# Altium PCB 2019.06.16.master.PcbDoc (part 5 of 5)
Units mm, origin at the board's own origin, x right, y up, seen from the top; angles counter-clockwise.
Board outline 160 x 120 mm, 6 copper layers (Top Signal, Top GND, Inner PWR, Inner Signal, Bottom GND, Bottom Signal), stack 1.571 mm thick; 340 components, 345 nets, 1524 pads, 692 vias.
Unrouted connection lines stored in the file: 216.
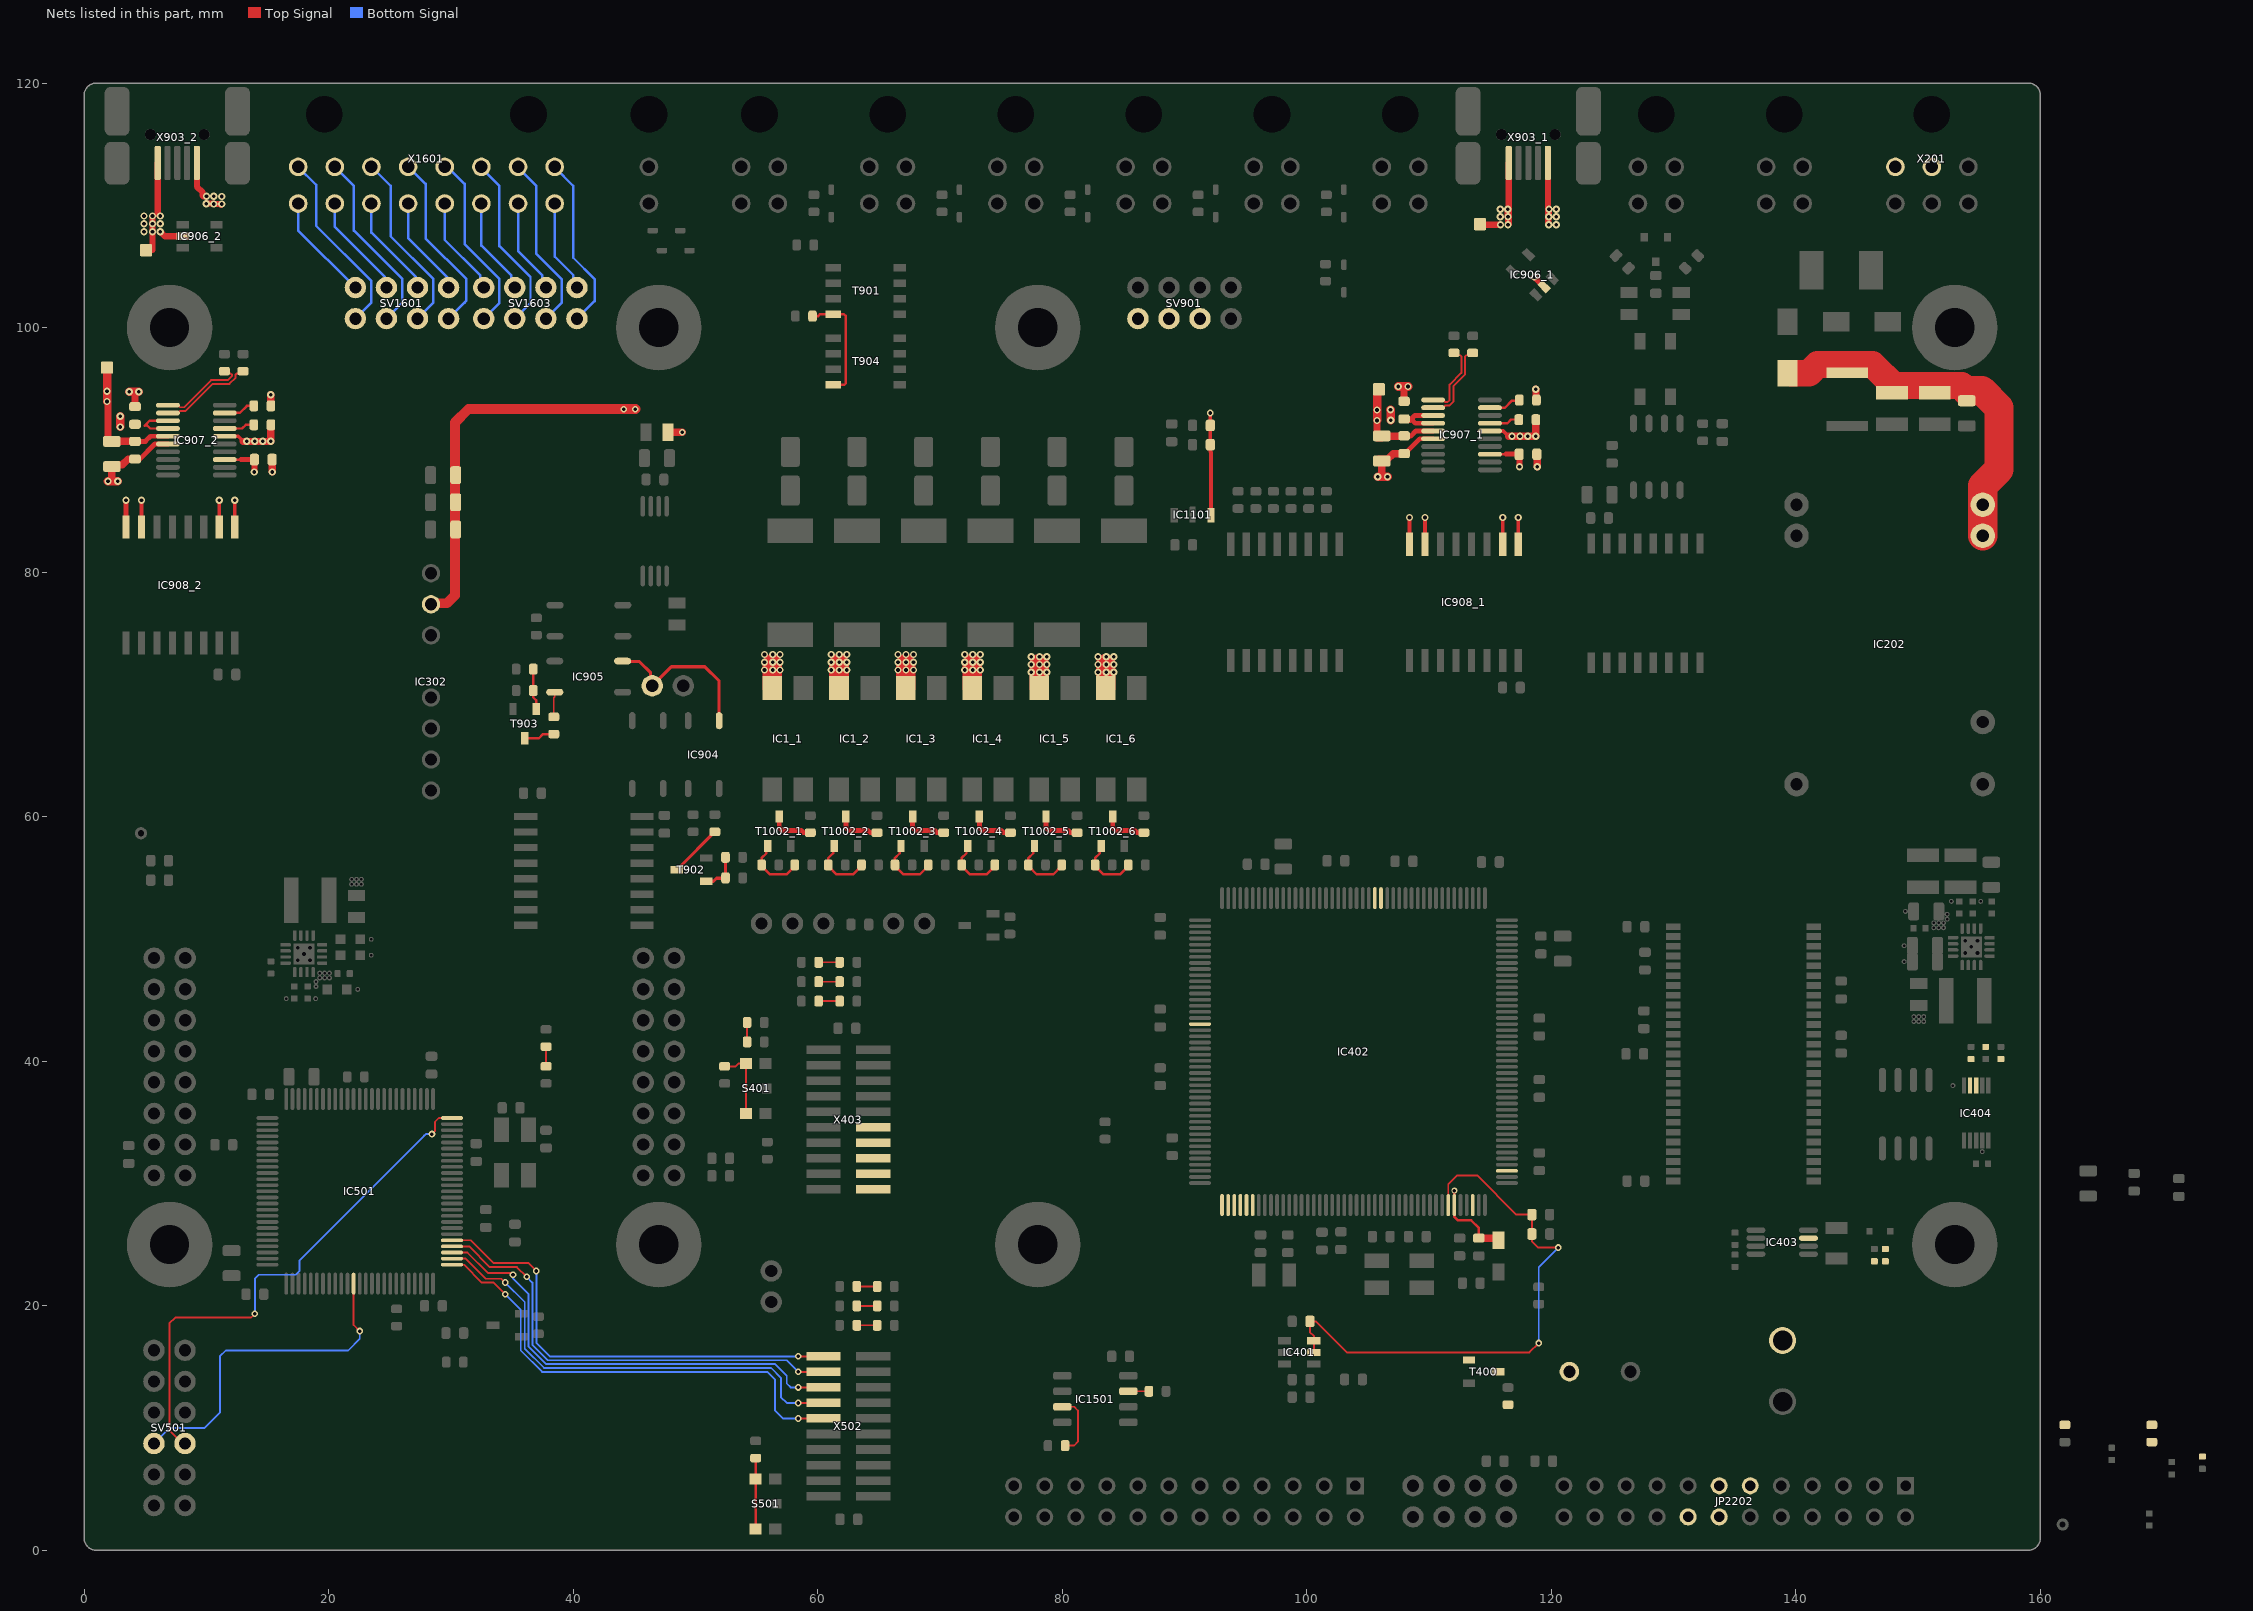
[diagram p9: the nets of this part, all layers, seen from the top]

## Via types
v1: diameter 0.6, hole 0.3, Top Signal to Bottom Signal, 370 vias
v2: diameter 0.55, hole 0.3, Top Signal to Bottom Signal, tented both sides, 291 vias
v3: diameter 0.4, hole 0.2, Top Signal to Bottom Signal, tented both sides, 17 vias
v4: diameter 0.5, hole 0.3, Top Signal to Bottom Signal, 12 vias
v5: diameter 0.7, hole 0.4, Top Signal to Bottom Signal, 2 vias

## Nets (pads, with @x,y where several pads share a name; then routed paths per layer and width w, separated by ;. In a path a pad name is that pad's centre, name@x,y a point inside that pad or via, vN(x,y) a via of type N, cw(c..) or ccw(c..) an arc to the next point about the centre after c; other vN are vias at no path point) (continued)
NetIC904_3: IC904.3 IC905.4 X902.2 | length 14.1
  Top Signal w0.254: IC905.4@44.047,72.722 44.48,72.722 44.507,72.695 45.415,72.695 46.34,71.77 X902.2@46.34,70.177 ; X902.2@46.47,70.7 48.033,72.263 50.775,72.263 51.943,71.095 IC904.3@51.943,67.848
NetIC905_2: IC905.2 R910.2 | length 2.1
  Top Signal w0.152: R910.2@38.417,68.154 38.417,69.726 38.497,69.806 IC905.2@38.497,70.182
NetIC907_1_7: IC907_1.7 R916_1.1 | length 2.5
  Top Signal w0.2: IC907_1.7@114.983,92.177 116.403,92.177 116.708,92.481 R916_1.1@117.355,92.481
NetIC907_1_9: IC907_1.9 R915_1.1 | length 2.6
  Top Signal w0.2: IC907_1.9@114.983,93.447 116.207,93.447 116.791,94.031 R915_1.1@117.355,94.031
NetIC907_2_7: IC907_2.7 R916_2.1 | length 2.5
  Top Signal w0.2: IC907_2.7@11.508,91.745 12.929,91.745 13.233,92.05 R916_2.1@13.88,92.05
NetIC907_2_9: IC907_2.9 R915_2.1 | length 2.6
  Top Signal w0.2: IC907_2.9@11.508,93.015 12.732,93.015 13.316,93.599 R915_2.1@13.88,93.599
NetIC1501_3: IC1501.3 R1502.1 | length 5.2
  Top Signal w0.152: IC1501.3@79.969,11.733 IC1501.3@80.009,11.733 80.977,11.733 81.28,11.43 81.28,8.875 80.962,8.558 R1502.1@80.234,8.558
NetIC1501_7: IC1501.7 R1501.1 | length 1.6
  Top Signal w0.152: IC1501.7@85.449,13.003 R1501.1@87.089,13.003
NetLED201_1: LED201.1 R201.2 | length 1.5
  Top Signal w0.152: R201.2@60.222,48.086 LED201.1@61.75,48.086
NetLED301_1: LED301.1 R301.1 | length 1.5
  Top Signal w0.152: LED301.1@63.25,21.575 R301.1@64.714,21.575
NetLED401_1: LED401.1 R408.2 | length 1.5
  Top Signal w0.152: R408.2@60.222,46.499 LED401.1@61.75,46.499
NetLED402_1: LED402.1 R409.2 | length 1.5
  Top Signal w0.152: R409.2@60.222,44.911 LED402.1@61.75,44.911
NetLED501_1: LED501.1 R508.2 | length 1.5
  Top Signal w0.152: LED501.1@63.25,19.988 R508.2@64.714,19.988
NetLED502_1: LED502.1 R509.2 | length 1.5
  Top Signal w0.152: LED502.1@63.25,18.4 R509.2@64.714,18.4
NetLS401_2: LS401.2 R416.1 T400.D
NetR403_1: R403.1 R404.2 | length 1.6
  Top Signal w0.152: R404.2@54.228,41.578 54.228,42.129 R403.1@54.227,43.165
NetR406_2: R406.2 S401.1 S401.2 | length 5.9
  Top Signal w0.152: R406.2@52.387,39.579 53.287,39.579 53.526,39.818 S401.1@54.127,39.818 S401.2@54.127,35.717
NetR417_1: R417.1 R418.2 T400.G
NetR501_1: R501.1 R503.2 | length 1.3
  Top Signal w0.152: R503.2@37.782,39.729 R501.1@37.782,41.045
NetR506_2: R506.2 S501.1 S501.2 | length 5.8
  Top Signal w0.203: S501.2@54.921,1.745 S501.1@54.921,5.845 54.921,6.397 54.927,6.403 R506.2@54.927,7.54
NetR905_2: R905.2 T901.4 T904.4 | length 9.4
  Top Signal w0.2: R905.2@59.577,100.94 60.029,100.94 60.181,101.092 T901.4@61.265,101.092 62.154,101.092 62.306,100.94 62.306,95.443 62.189,95.326 T904.4@61.265,95.326
NetR907_1: R907.1 T902.D | length 4.4
  Top Signal w0.254: T902.D@48.349,55.662 T902.D@48.479,55.662 ; T902.D@48.707,55.662 48.707,55.881 R907.1@51.587,58.761
NetR908_1: R908.1 R909.1 T902.G | length 3.3
  Top Signal w0.254: T902.G@50.879,54.712 51.481,54.712 51.731,54.962 R908.1@52.408,54.962 ; R909.1@52.459,56.678 52.459,55.546 52.462,55.543 R908.1@52.462,54.991
NetR910_1: R910.1 T903.D | length 2.5
  Top Signal w0.203: T903.D@36.036,66.413 37.203,66.413 37.544,66.754 R910.1@38.417,66.754
NetR911_1: R911.1 R912.1 T903.G | length 3.3
  Top Signal w0.203: R912.1@36.736,72.058 R911.1@36.736,70.311 36.736,69.76 36.986,69.51 T903.G@36.986,68.813
NetR1001_1_1: R1001_1.1 R1003_1.2 T1002_1.G | length 5.2
  Top Signal w0.2: T1002_1.G@55.903,57.601 55.803,57.501 55.803,57.003 55.409,56.609 R1003_1.2@55.409,56.058 55.409,55.958 56.096,55.27 57.439,55.27 58.126,55.958 R1001_1.1@58.126,56.058
NetR1001_2_1: R1001_2.1 R1003_2.2 T1002_2.G | length 5.2
  Top Signal w0.2: T1002_2.G@61.359,57.601 61.259,57.501 61.259,57.003 60.865,56.609 R1003_2.2@60.865,56.058 60.865,55.958 61.552,55.27 62.895,55.27 63.583,55.958 R1001_2.1@63.583,56.058
NetR1001_3_1: R1001_3.1 R1003_3.2 T1002_3.G | length 5.2
  Top Signal w0.2: T1002_3.G@66.815,57.601 66.715,57.501 66.715,57.003 66.321,56.609 R1003_3.2@66.321,56.058 66.321,55.958 67.008,55.27 68.351,55.27 69.039,55.958 R1001_3.1@69.039,56.058
NetR1001_4_1: R1001_4.1 R1003_4.2 T1002_4.G | length 5.2
  Top Signal w0.2: T1002_4.G@72.271,57.601 72.171,57.501 72.171,57.003 71.777,56.609 R1003_4.2@71.777,56.058 71.777,55.958 72.464,55.27 73.807,55.27 74.495,55.958 R1001_4.1@74.495,56.058
NetR1001_5_1: R1001_5.1 R1003_5.2 T1002_5.G | length 5.2
  Top Signal w0.2: T1002_5.G@77.727,57.601 77.627,57.501 77.627,57.003 77.233,56.609 R1003_5.2@77.233,56.058 77.233,55.958 77.921,55.27 79.264,55.27 79.951,55.958 R1001_5.1@79.951,56.058
NetR1001_6_1: R1001_6.1 R1003_6.2 T1002_6.G | length 5.2
  Top Signal w0.2: T1002_6.G@83.183,57.601 83.083,57.501 83.083,57.003 82.689,56.609 R1003_6.2@82.689,56.058 82.689,55.958 83.377,55.27 84.72,55.27 85.407,55.958 R1001_6.1@85.407,56.058
NetR1002_1_1: R1002_1.1 T1002_1.D | length 3.6
  Top Signal w0.4: T1002_1.D@56.853,60.001 56.853,59.112 57.087,58.877 58.649,58.877 58.841,58.685 R1002_1.1@59.393,58.685
NetR1002_2_1: R1002_2.1 T1002_2.D | length 3.6
  Top Signal w0.4: T1002_2.D@62.309,60.001 62.309,59.112 62.543,58.877 64.105,58.877 64.297,58.685 R1002_2.1@64.849,58.685
NetR1002_3_1: R1002_3.1 T1002_3.D | length 3.6
  Top Signal w0.4: T1002_3.D@67.765,60.001 67.765,59.112 67.999,58.877 69.561,58.877 69.753,58.685 R1002_3.1@70.305,58.685
NetR1002_4_1: R1002_4.1 T1002_4.D | length 3.6
  Top Signal w0.4: T1002_4.D@73.221,60.001 73.221,59.112 73.455,58.877 75.017,58.877 75.21,58.685 R1002_4.1@75.761,58.685
NetR1002_5_1: R1002_5.1 T1002_5.D | length 3.6
  Top Signal w0.4: T1002_5.D@78.677,60.001 78.677,59.112 78.912,58.877 80.474,58.877 80.666,58.685 R1002_5.1@81.217,58.685
NetR1002_6_1: R1002_6.1 T1002_6.D | length 3.6
  Top Signal w0.4: T1002_6.D@84.133,60.001 84.133,59.112 84.368,58.877 85.93,58.877 86.122,58.685 R1002_6.1@86.673,58.685
NetSV1601_1: SV1601.1 X1601.1 | length 15.4
  Bottom Signal w0.203: X1601.1@17.51,113.142 18.974,111.678 18.974,108.329 23.495,103.808 23.495,102.035 SV1601.1@22.19,100.73
NetSV1601_2: SV1601.2 X1601.9 | length 8.8
  Bottom Signal w0.203: X1601.9@17.51,110.145 17.51,107.95 SV1601.2@22.19,103.27
NetSV1601_3: SV1601.3 X1601.2 | length 15.1
  Bottom Signal w0.203: X1601.2@20.637,113.015 22.066,111.586 22.066,107.935 26.035,103.966 26.035,102.035 SV1601.3@24.73,100.73
NetSV1601_4: SV1601.4 X1601.10 | length 8.6
  Bottom Signal w0.203: X1601.10@20.507,110.145 20.507,108.224 24.606,104.125 24.606,103.464 SV1601.4@24.73,103.27
NetSV1601_5: SV1601.5 X1601.3 | length 15.2
  Bottom Signal w0.152: X1601.3@23.5,113.06 23.5,113.111 X1601.3@23.529,113.14
  Bottom Signal w0.203: X1601.3@23.5,113.14 23.529,113.14 25.082,111.586 25.082,107.459 28.575,103.966 28.575,102.035 SV1601.5@27.27,100.73
NetSV1601_6: SV1601.6 X1601.11 | length 8.4
  Bottom Signal w0.203: X1601.11@23.5,110.14 23.5,107.771 27.146,104.125 27.146,103.394 SV1601.6@27.27,103.27
NetSV1601_7: SV1601.7 X1601.4 | length 15.1
  Bottom Signal w0.152: X1601.4@26.5,113.06 26.5,113.095 X1601.4@26.545,113.14
  Bottom Signal w0.203: X1601.4@26.5,113.14 26.545,113.14 27.94,111.745 27.94,107.3 31.274,103.966 31.274,102.22 31.115,102.061 31.115,102.035 SV1601.7@29.81,100.73
NetSV1601_8: SV1601.8 X1601.12 | length 8.2
  Bottom Signal w0.203: X1601.12@26.5,110.14 26.5,107.311 29.686,104.125 29.686,103.394 SV1601.8@29.81,103.27
NetSV1603_1: SV1603.1 X1601.5 | length 15
  Bottom Signal w0.152: X1601.5@29.5,113.06 X1601.5@29.5,113.14
  Bottom Signal w0.203: X1601.5@29.5,113.14 29.72,113.14 31.115,111.745 31.115,106.824 33.972,103.966 33.972,102.012 SV1603.1@32.69,100.73
NetSV1603_2: SV1603.2 X1601.13 | length 8.2
  Bottom Signal w0.203: X1601.13@29.5,110.14 29.5,107.169 32.385,104.284 32.385,103.575 SV1603.2@32.69,103.27
NetSV1603_3: SV1603.3 X1601.6 | length 14.7
  Bottom Signal w0.152: X1601.6@32.5,113.06 32.544,113.016 X1601.6@32.544,113.015
  Bottom Signal w0.203: X1601.6@32.5,113.14 32.5,113.06 32.5,113.059 32.544,113.015 33.972,111.586 33.972,106.665 36.512,104.125 36.512,102.012 SV1603.3@35.23,100.73
NetSV1603_4: SV1603.4 X1601.14 | length 8
  Bottom Signal w0.203: X1601.14@32.5,110.14 32.5,106.709 34.925,104.284 34.925,103.575 SV1603.4@35.23,103.27
NetSV1603_5: SV1603.5 X1601.7 | length 14.4
  Bottom Signal w0.152: X1601.7@35.5,113.06 X1601.7@35.5,113.075
  Bottom Signal w0.203: X1601.7@35.5,113.14 35.5,113.075 36.989,111.586 36.989,106.03 39.052,103.966 39.052,102.012 SV1603.5@37.77,100.73
NetSV1603_6: SV1603.6 X1601.15 | length 7.8
  Bottom Signal w0.203: X1601.15@35.5,110.14 35.5,106.249 37.465,104.284 37.465,103.575 SV1603.6@37.77,103.27
NetSV1603_7: SV1603.7 X1601.8 | length 14.4
  Bottom Signal w0.152: X1601.8@38.5,113.06 X1601.8@38.5,113.091
  Bottom Signal w0.203: X1601.8@38.5,113.14 38.5,113.091 40.005,111.586 40.005,105.713 41.751,103.966 41.751,102.171 SV1603.7@40.31,100.73
NetSV1603_8: SV1603.8 X1601.16 | length 7.6
  Bottom Signal w0.203: X1601.16@38.5,110.14 38.5,105.789 40.005,104.284 40.005,103.575 SV1603.8@40.31,103.27
PIEZO_MCU_0_PWM: IC402.47 R417.2
RS485_MCU_0_DE: IC402.107 JP2202.16
RS485_MCU_0_NRE: IC402.106 JP2202.13
RS485_MCU_0_RX: IC402.150 JP2202.14 | length 0
  Bottom Signal w0.152: JP2202.14@133.73,2.73 JP2202.14@133.732,2.732
RS485_MCU_0_TX: IC402.42 JP2202.11
SUPPLY_EXT_0: C201.2 C202.1 C203.2 C204.2 C302.1 C303.1 C304.1 C1101.1 C1102.1 D201.1 IC202.22 IC202.23 IC302.2 IC1101.3 SV901.3 | length 69.7
  Top Signal w0.305: v2(92.111,93.019) C1101.1@92.111,91.999 C1102.1@92.111,90.424 92.111,89.847 92.161,89.797 IC1101.3@92.161,84.651
  Top Signal w0.813: IC302.2@28.4,77.46 28.405,77.455 29.686,77.455 30.321,78.09 30.321,92.219 31.432,93.33 v2(44.133,93.33) v2(45.085,93.33)
  Top Signal w2.2: D201.1@139.649,96.266 141.072,96.266 141.783,96.977 146.279,96.977 148.006,95.25 153.568,95.25 153.975,94.844
  Top Signal w2.4: 153.975,94.844 155.211,94.844 156.616,93.438 156.616,88.392 155.296,87.071 IC202.23@155.296,85.516 IC202.22@155.296,82.976
SUPPLY_EXT_2: IC1_1.4 IC1_2.4 IC1_3.4 IC1_4.4 IC1_5.4 IC1_6.4 R901.2 SV901.5 SV901.7 X201.1 X201.2 | length 13.2
  Top Signal w0.6: R901.2@47.713,91.44 v2(48.927,91.44)
  Top Signal w1.6: IC1_1.4@56.286,70.52 v1@56.286,72.517 ; IC1_2.4@61.743,70.52 v1@61.743,72.517 ; IC1_3.4@67.199,70.52 v1@67.199,72.517 ; IC1_4.4@72.655,70.52 v1@72.655,72.517 ; IC1_5.4@78.111,70.52 v1@78.111,72.517 ; IC1_6.4@83.567,70.52 v1@83.567,72.517
  other v1: 77.476,71.808 78.136,71.808 78.746,71.808 82.932,71.808 83.593,71.808 84.202,71.808 55.651,71.988 56.312,71.988 56.921,71.988 61.108,71.988 61.768,71.988 62.378,71.988 66.564,71.988 67.224,71.988 67.834,71.988 72.02,71.988 72.68,71.988 73.29,71.988 77.476,72.439 78.136,72.439 78.746,72.439 82.932,72.439 83.593,72.439 84.202,72.439 55.651,72.619 56.312,72.619 56.921,72.619 61.108,72.619 61.768,72.619 62.378,72.619 66.564,72.619 67.224,72.619 67.834,72.619 72.02,72.619 72.68,72.619 73.29,72.619 77.476,73.074 78.136,73.074 78.746,73.074 82.932,73.074 83.593,73.074 84.202,73.074 55.651,73.254 56.312,73.254 56.921,73.254 61.108,73.254 61.768,73.254 62.378,73.254 66.564,73.254 67.224,73.254 67.834,73.254 72.02,73.254 72.68,73.254 73.29,73.254
TRACECLK_MCU_0: IC402.1 X403.12
TRACECLK_MCU_1: IC501.1 X502.12 | length 38.8
  Top Signal w0.152: IC501.1@30.293,23.354 31.082,23.354 32.544,21.893 33.496,21.893 v2(34.449,20.94) ; v2(58.42,10.78) X502.12@60.465,10.78
  Bottom Signal w0.152: v2(34.449,20.94) 35.719,19.67 35.719,16.336 37.465,14.59 55.88,14.59 56.515,13.955 56.515,11.415 57.15,10.78 v2(58.42,10.78)
TRACED0_MCU_0: IC402.2 X403.14
TRACED0_MCU_1: IC501.2 X502.14 | length 38.2
  Top Signal w0.152: IC501.2@30.293,23.854 31.218,23.854 32.861,22.21 34.131,22.21 v2(34.449,21.893) ; v2(58.42,12.05) X502.14@60.465,12.05
  Bottom Signal w0.152: v2(34.449,21.893) 36.036,20.305 36.036,16.495 37.624,14.908 56.197,14.908 56.991,14.114 56.991,12.526 57.468,12.05 v2(58.42,12.05)
TRACED1_MCU_0: IC402.3 X403.16
TRACED1_MCU_1: IC501.3 X502.16 | length 37.8
  Top Signal w0.152: IC501.3@30.293,24.354 31.352,24.354 33.02,22.686 34.925,22.686 v2(35.084,22.528) ; v2(58.42,13.32) X502.16@60.465,13.32
  Bottom Signal w0.152: v2(35.084,22.528) 35.084,22.21 36.354,20.94 36.354,16.654 37.782,15.225 56.515,15.225 57.468,14.273 57.468,13.638 57.785,13.32 v2(58.42,13.32)
TRACED2_MCU_0: IC402.4 X403.18
TRACED2_MCU_1: IC501.4 X502.18 | length 37.4
  Top Signal w0.152: IC501.4@30.293,24.854 31.488,24.854 33.179,23.163 35.401,23.163 v2(36.195,22.369) ; v2@58.579,14.59 X502.18@60.465,14.59
  Top Signal w0.203: v2(58.42,14.59) v2@58.579,14.59
  Bottom Signal w0.152: v2(36.195,22.369) 36.671,21.893 36.671,16.813 37.941,15.543 57.468,15.543 v2(58.42,14.59)
TRACED3_MCU_0: IC402.5 X403.20
TRACED3_MCU_1: IC501.5 X502.20 | length 37.5
  Top Signal w0.152: IC501.5@30.293,25.354 31.622,25.354 33.496,23.48 36.354,23.48 v2(36.989,22.845) ; v2(58.42,15.86) X502.20@60.465,15.86
  Bottom Signal w0.152: v2(36.989,22.845) 36.989,16.971 38.1,15.86 v2(58.42,15.86)
U_1_N: IC907_1.12 R913_1.1 | length 6.7
  Top Signal w0.152: IC907_1.12@110.333,93.447 111.156,93.447 111.321,93.612 111.662,93.612 111.993,93.943 111.993,95.209 112.955,96.171 112.955,97.647 113.044,97.736 113.377,97.736 R913_1.1@113.569,97.928
U_1_P: IC907_1.11 R914_1.1 | length 6.2
  Top Signal w0.152: IC907_1.11@110.333,94.082 111.156,94.082 111.321,93.916 111.536,93.916 111.689,94.069 111.689,95.336 112.65,96.297 112.65,97.647 112.561,97.736 112.229,97.736 R914_1.1@112.037,97.928
U_2_N: IC907_2.12 R913_2.1 | length 7.7
  Top Signal w0.152: IC907_2.12@6.858,93.015 7.681,93.015 7.846,93.18 8.304,93.18 10.518,95.394 11.889,95.394 12.391,95.896 12.391,96.149 12.481,96.238 12.813,96.238 R913_2.1@13.005,96.43
U_2_P: IC907_2.11 R914_2.1 | length 7.2
  Top Signal w0.152: IC907_2.11@6.858,93.65 7.681,93.65 7.846,93.485 8.178,93.485 10.392,95.699 11.763,95.699 12.086,96.022 12.086,96.149 11.997,96.238 11.665,96.238 R914_2.1@11.473,96.43
USART_MCU_1_RX: IC501.87 SV501.6 | length 27.6
  Top Signal w0.152: IC501.87@22.043,21.604 22.043,18.424 v2(22.543,17.924)
  Bottom Signal w0.152: SV501.6@5.715,8.73 6.971,9.986 9.842,9.986 11.112,11.256 11.112,15.86 11.589,16.336 21.59,16.336 22.543,17.289 v2(22.543,17.924)
USART_MCU_1_TX: IC501.25 SV501.5 | length 43.3
  Top Signal w0.152: SV501.5@8.255,8.73 8.083,8.73 6.985,9.828 6.985,18.559 7.461,19.035 13.652,19.035 v2(13.97,19.353) ; v2(28.448,34.036) 28.702,34.29 28.702,35.033 29.023,35.354 IC501.25@30.293,35.354
  Bottom Signal w0.152: v2(13.97,19.353) 13.97,22.21 14.287,22.528 17.304,22.528 17.621,22.845 17.621,23.72 27.815,33.909 27.942,34.036 v2(28.448,34.036)
USB_+3.3V_1: C905_1.1 C906_1.1 IC907_1.3 IC907_1.13 IC907_1.14 IC908_1.1 IC908_1.7 | length 12.8
  Top Signal w0.2: IC907_1.3@114.983,89.637 116.269,89.637 116.288,89.655
  Top Signal w0.3: IC908_1.7@109.666,82.269 v1(109.666,84.464) ; IC908_1.1@117.286,82.269 v1(117.286,84.464) ; C906_1.1@117.362,89.637 C906_1.1@117.362,89.737
  Top Signal w0.4: C905_1.1@108.428,92.405 108.541,92.518 ; IC907_1.14@110.333,92.177 108.883,92.177 108.541,92.518 ; IC907_1.13@110.333,92.812 108.834,92.812 108.541,92.518 ; 116.288,89.655 C906_1.1@117.387,89.655
  Top Signal w0.5: C906_1.1@117.387,89.655 117.405,89.637 117.405,88.614 v1(117.405,88.613)
  Top Signal w0.7: v1(106.844,93.281) 106.858,93.268 v1(106.858,92.418)
USB_+3.3V_2: C905_2.1 C906_2.1 IC907_2.3 IC907_2.13 IC907_2.14 IC908_2.1 IC908_2.7 | length 12.7
  Top Signal w0.2: 4.953,91.973 5.066,92.087 ; IC907_2.14@6.858,91.745 5.408,91.745 5.066,92.087 ; IC907_2.13@6.858,92.38 5.359,92.38 5.066,92.087 ; IC907_2.3@11.508,89.205 12.794,89.205 12.813,89.224
  Top Signal w0.3: IC908_2.7@4.699,83.693 v1(4.699,85.888) ; IC908_2.1@12.319,83.693 v1(12.319,85.888)
  Top Signal w0.4: 12.813,89.224 C906_2.1@13.912,89.224
  Top Signal w0.5: C906_2.1@13.912,89.224 C906_2.1@13.931,89.205 13.931,88.182 v1(13.93,88.181)
  Top Signal w0.7: v1(2.958,92.735) 2.972,92.722 v1(2.972,91.872)
USB_GND_1: C903_1.2 C904_1.2 C905_1.2 C906_1.2 IC906_1.2 IC907_1.6 IC907_1.16 IC908_1.2 IC908_1.8 R915_1.2 R916_1.2 TP902_1.1 X903_1.5 | length 30.6
  Top Signal w0.3: IC908_1.8@108.396,82.269 v1(108.396,84.464) ; IC907_1.6@114.983,91.542 116.08,91.542 v1@116.503,91.119 ; IC908_1.2@116.016,82.269 v1(116.016,84.464) ; v1@117.28,91.188 v1@117.38,91.188 ; R916_1.2@118.571,92.297 118.735,92.461 R916_1.2@118.755,92.481
  Top Signal w0.4: C904_1.2@107.64,89.674 108.023,89.674 109.256,90.907 IC907_1.16@110.333,90.907
  Top Signal w0.5: TP902_1.1@114.173,108.458 114.222,108.409 v1(115.844,108.409) ; v1(116.434,109.677) 116.434,109.077 v1(116.455,109.055) v1(116.455,108.42) 116.52,108.485 X903_1.5@116.52,113.464 ; v1@118.571,104.14 118.618,104.14 IC906_1.2@119.412,103.346
  Top Signal w0.6: C903_1.2@105.898,89.219 106.609,89.219 107.064,89.674 C904_1.2@107.64,89.674 ; 106.209,87.791 106.133,87.866 106.133,88.999 C903_1.2@106.283,89.149 ; 107.884,95.18 107.959,95.105 C905_1.2@107.959,93.972 ; v1@116.503,91.119 v1@118.735,91.119 ; v1(118.735,91.124) R916_1.2@118.735,92.461 ; v1(118.735,94.947) 118.755,94.927 R915_1.2@118.755,94.031 ; v1(118.855,88.613) C906_1.2@118.855,89.637
  Top Signal w0.7: v1(105.815,87.791) 106.209,87.791 v1(106.602,87.791) ; v1(107.49,95.18) 107.884,95.18 v1(108.277,95.18)
  other v1: 116.791,91.124 117.439,91.124 118.087,91.124 118.595,104.14 115.833,109.055 115.822,109.666
USB_GND_2: C903_2.2 C904_2.2 C905_2.2 C906_2.2 IC906_2.2 IC907_2.6 IC907_2.16 IC908_2.2 IC908_2.8 R915_2.2 R916_2.2 TP902_2.1 X903_2.5 | length 31
  Top Signal w0.3: IC908_2.2@11.049,83.693 v1(11.049,85.888) ; IC907_2.6@11.508,91.11 12.605,91.11 v1@13.028,90.687 ; R916_2.2@15.096,91.866 15.26,92.03 R916_2.2@15.28,92.05
  Top Signal w0.4: IC908_2.8@3.429,83.693 v1(3.429,85.888) ; C904_2.2@4.166,89.242 4.548,89.242 5.781,90.475 IC907_2.16@6.858,90.475
  Top Signal w0.5: TP902_2.1@5.066,106.329 5.598,106.329 v1(5.598,107.848) v1(5.598,108.483) v1(5.598,109.118) ; X903_2.5@6.025,113.464 6.025,109.326 v1(6.233,109.118) ; v1(6.233,107.848) 6.233,107.838 6.354,107.717 6.364,107.717 6.614,107.467 IC906_2.2@8.074,107.467
  Top Signal w0.6: 2.348,87.429 2.273,87.504 C903_2.2@2.273,88.637 2.423,88.787 3.134,88.787 3.589,89.242 C904_2.2@4.166,89.242 ; 4.091,94.744 4.166,94.669 C905_2.2@4.166,93.537 ; v1@13.028,90.687 14.612,90.687 v1@15.26,90.687 ; v1(15.26,90.692) R916_2.2@15.26,92.03 ; v1(15.26,94.516) 15.28,94.496 R915_2.2@15.28,93.599 ; v1(15.381,88.181) C906_2.2@15.381,89.205
  Top Signal w0.7: v1(1.954,87.429) 2.348,87.429 v1(2.742,87.429) ; v1(3.697,94.744) 4.091,94.744 v1(4.484,94.744)
  other v1: 13.316,90.692 13.964,90.692 14.612,90.692 4.902,107.848 4.902,108.483 6.233,108.483 4.902,109.118
USB_VBUS_1: C903_1.1 C904_1.1 IC907_1.15 TP901_1.1 X903_1.1 | length 14.9
  Top Signal w0.2: C904_1.1@107.756,90.891 C904_1.1@107.837,90.972
  Top Signal w0.4: C904_1.1@107.64,91.124 108.492,91.124 108.91,91.542 IC907_1.15@110.333,91.542
  Top Signal w0.5: X903_1.1@119.72,113.464 119.72,108.485 v1(119.785,108.42) v1(119.785,109.055) 119.806,109.077 v1(119.806,109.677)
  Top Signal w0.6: C903_1.1@105.748,91.225 v1@105.748,92.358 ; C903_1.1@105.752,90.971 C903_1.1@106.133,90.971 ; C903_1.1@106.066,91.068 C903_1.1@106.071,91.073 ; C903_1.1@106.133,91.124 C904_1.1@107.64,91.124
  Top Signal w0.7: v1(105.748,92.405) v1(105.748,93.255) 105.748,94.196 105.748,94.797 TP901_1.1@105.898,94.947
  other v1: 120.396,108.409 120.407,109.055 120.418,109.666
USB_VBUS_2: C903_2.1 C904_2.1 IC907_2.15 TP901_2.1 X903_2.1 | length 15.6
  Top Signal w0.2: C904_2.1@4.281,90.459 C904_2.1@4.362,90.54
  Top Signal w0.3: v1(1.878,94.804) v1@1.954,94.669
  Top Signal w0.4: C904_2.1@4.166,90.692 5.018,90.692 5.436,91.11 IC907_2.15@6.858,91.11
  Top Signal w0.5: X903_2.1@9.225,113.464 9.225,111.527 9.688,111.064 9.688,110.822 9.766,110.744 v1(10.008,110.744) ; v1(9.997,110.133) 10.597,110.133 v1(10.619,110.111) v1(11.254,110.111) v1@11.189,110.046
  Top Signal w0.6: C903_2.1@1.954,90.692 v1@1.954,93.955 ; C903_2.1@2.273,90.687 2.278,90.692 C904_2.1@4.166,90.692
  Top Signal w0.7: v1(1.878,93.955) v1(1.878,94.804) 1.878,96.722 TP901_2.1@1.88,96.723
  other v1: 11.265,110.722 10.619,110.733
VBAT: BT400.1 IC402.6 IC403.3 R411.2 R413.2
VBU_MON: C434.2 IC404.4 R413.1
VDDA_MCU_0: C411.1 IC402.39 L401.2 | length 6.8
  Top Signal w0.152: IC402.39@112.073,28.03 IC402.39@112.076,28.034
  Top Signal w0.2: v4@112.073,29.52 v4(112.073,29.412) IC402.39@112.073,28.234 112.073,28.03 112.073,27.266 112.364,26.974 113.456,26.974 114.073,26.357 C411.1@114.073,25.899
  Top Signal w0.6: C411.1@114.073,25.53 115.496,25.53 L401.2@115.672,25.354
VIN_MON: C433.2 IC404.3 R400.1 R412.2
VREF+_MCU_0: C422.1 C423.1 C424.1 IC401.5 IC401.6 IC402.38 | length 46.4
  Top Signal w0.152: IC401.5@100.577,16.178 IC401.6@100.577,17.128 100.577,17.529 100.261,17.845 C422.1@100.261,18.718 100.738,18.718 103.278,16.178 118.209,16.178 118.971,16.94 v2(118.971,16.942) ; IC402.38@111.572,28.234 111.572,29.925 112.301,30.653 113.936,30.653 117.136,27.453 C424.1@118.412,27.453 ; C424.1@118.412,27.843 C424.1@118.412,27.453 ; v2(120.566,24.754) 118.947,24.754 118.412,25.289 C423.1@118.412,25.865 C424.1@118.412,27.453
  Bottom Signal w0.152: v2(118.971,16.942) 118.971,23.16 v2(120.566,24.754) v2@120.633,24.687
pads on no net: Designator15.Hole_3.2_4 Designator16.Hole_3.2_3 Designator17.Hole_3.2_2 Designator18.Hole_3.2_1 Designator19.Hole_3.2_5 Designator20.Hole_3.2_6 Designator21.Hole_3.2_7 Designator22.Hole_3.2_8 IC202.11 IC302.3 IC302.5 IC302.8 IC400.7 IC402.12 IC402.13 IC402.28 IC402.43 IC402.46 IC402.110 IC402.151 IC402.176 IC501.7 IC501.8 IC501.9 IC501.15 IC501.16 IC501.23 IC501.24 IC501.26 IC501.33 IC501.34 IC501.35 IC501.36 IC501.38 IC501.39 IC501.40 IC501.41 IC501.42 IC501.43 IC501.44 IC501.45 IC501.46 IC501.55 IC501.56 IC501.57 IC501.58 IC501.59 IC501.60 IC501.61 IC501.62 IC501.63 IC501.64 IC501.65 IC501.66 IC501.67 IC501.68 IC501.88 IC501.92 IC501.93 IC501.95 IC501.96 IC501.97 IC501.98 IC802.7 IC802.14 IC901.2 IC901.3 IC901.5 IC901.7 IC901.8 IC906_1.1 IC906_1.3 IC906_2.1 IC906_2.3 IC907_1.5 IC907_1.8 IC907_1.10 IC907_1.17 IC907_1.18 IC907_1.19 IC907_2.5 IC907_2.8 IC907_2.10 IC907_2.17 IC907_2.18 IC907_2.19 IC1801.36 IC1801.40 JP2201.7 JP2201.23 JP2202.23 S401.5 S501.5 SV1602.13 SV1602.14 SV1602.15 SV1602.16 SV1604.13 SV1604.14 SV1604.15 SV1604.16 X201. X403.7 X502.7 X801. X801.2 X802. X802.2 X901. X903_1.4 X903_1.6 X903_1.7 X903_1.8 X903_1.9 X903_1.X X903_1.Y X903_2.4 X903_2.6 X903_2.7 X903_2.8 X903_2.9 X903_2.X X903_2.Y X1201. X1202. X1203. X1204. X1205. X1206. X1601.

## Polygon pours and split planes (outlines as drawn)
no net on Top Overlay "Polygon_42_NoNet" (solid, shelved): 33 vertices, not listed, extent 126.859,60.719 127.388,61.25
no net on Top Overlay "Polygon_41_NoNet" (solid, shelved): 17 vertices, not listed, extent 126.624,58.89 127.624,60.647
no net on Top Overlay "Polygon_40_NoNet" (solid, shelved): 133 vertices, not listed, extent 125.305,58.251 128.943,61.89
no net on Top Overlay "Polygon_39_NoNet" (solid, shelved): 59 vertices, not listed, extent 122.946,59.496 123.99,60.644
no net on Top Overlay "Polygon_38_NoNet" (solid, shelved): 58 vertices, not listed, extent 121.901,59.496 122.945,60.644
no net on Top Overlay "Polygon_37_NoNet" (solid, shelved): 134 vertices, not listed, extent 121.124,58.251 124.762,61.888
no net on Top Overlay "Polygon_29_NoNet" (solid, shelved, pour order 45): 152.038,20.984 157.842,20.984 157.842,0.576 152.038,0.576
no net on Top Overlay "Polygon_28_NoNet" (solid, shelved, pour order 34): 61 vertices, not listed, extent 19.736,2.663 23.761,9.557
no net on Top Overlay "Polygon_27_NoNet" (solid, shelved, pour order 33): 60 vertices, not listed, extent 23.298,4.055 26.949,8.078
no net on Top Overlay "Polygon_26_NoNet" (solid, shelved, pour order 31): 53 vertices, not listed, extent 26.934,4.064 30.96,8.078
no net on Top Overlay "Polygon_25_NoNet" (solid, shelved, pour order 23): 69 vertices, not listed, extent 32.485,4.107 35.699,8.643
no net on Top Overlay "Polygon_24_NoNet" (solid, shelved, pour order 25): 33 vertices, not listed, extent 36.63,4.081 40.638,8.669
no net on Top Overlay "Polygon_23_NoNet" (solid, shelved, pour order 18): 75 vertices, not listed, extent 41.548,4.069 44.704,8.681
no net on Top Overlay "Polygon_22_NoNet" (solid, shelved, pour order 42): 105 vertices, not listed, extent 17.452,1.369 48.411,11.366
no net on Top Overlay "Polygon_21_NoNet" (solid, shelved, pour order 24): 12.362,67.743 16.683,67.743 16.684,68.63 14.805,68.63 14.802,70.082 14.099,70.082 14.097,68.63 13.07,68.632 13.068,70.155 12.363,70.154
no net on Top Overlay "Polygon_20_NoNet" (solid, shelved, pour order 13): 23 vertices, not listed, extent 13.407,70.71 16.685,72.599
no net on Top Overlay "Polygon_19_NoNet" (solid, shelved, pour order 9): 32 vertices, not listed, extent 14.729,72.808 16.756,74.276
no net on Top Overlay "Polygon_18_NoNet" (solid, shelved, pour order 19): 49 vertices, not listed, extent 13.412,73.148 16.732,75.69
no net on Top Overlay "Polygon_17_NoNet" (solid, shelved, pour order 26): 41 vertices, not listed, extent 13.482,76.29 16.754,79.224
no net on Top Overlay "Polygon_16_NoNet" (solid, shelved, pour order 27): 44 vertices, not listed, extent 13.411,80.04 16.685,82.965
no net on Top Overlay "Polygon_15_NoNet" (solid, shelved, pour order 32): 43 vertices, not listed, extent 12.05,83.778 16.684,86.709
no net on Top Overlay "Polygon_14_NoNet" (solid, shelved, pour order 30): 75 vertices, not listed, extent 13.406,87.193 16.755,90.535
no net on Top Overlay "Polygon_13_NoNet" (solid, shelved, pour order 22): 35 vertices, not listed, extent 11.974,90.707 16.687,92.952
no net on Top Overlay "Polygon_12_NoNet" (solid, shelved, pour order 28): 68 vertices, not listed, extent 13.426,93.159 16.761,96.151
no net on Top Overlay "Polygon_11_NoNet" (solid, shelved, pour order 14): 25 vertices, not listed, extent 13.407,96.703 16.681,98.612
no net on Top Overlay "Polygon_10_NoNet" (solid, shelved, pour order 5): 23.319,93.454 23.319,93.91 25.495,93.909 25.494,93.452
no net on Top Overlay "Polygon_9_NoNet" (solid, shelved, pour order 4): 23.319,94.434 23.319,94.874 25.495,94.874 25.492,94.435
no net on Top Overlay "Polygon_8_NoNet" (solid, shelved, pour order 8): 60 vertices, not listed, extent 23.283,95.321 25.53,96.695
no net on Top Overlay "Polygon_7_NoNet" (solid, shelved, pour order 10): 56 vertices, not listed, extent 23.314,97.109 25.494,98.608
no net on Top Overlay "Polygon_6_NoNet" (solid, shelved, pour order 35): 14.712,59.213 16.52,59.223 16.489,59.801 16.404,60.655 16.248,61.745 16.133,62.355 15.988,63 15.753,63.874 15.508,64.629 15.237,65.334 15.108,65.632 14.707,65.632
no net on Top Overlay "Polygon_5_NoNet" (solid, shelved, pour order 12): 35 vertices, not listed, extent 15.238,59.215 17.598,65.629
no net on Top Overlay "Polygon_4_NoNet" (solid, shelved, pour order 20): 35 vertices, not listed, extent 15.829,59.22 19.305,65.626
no net on Top Overlay "Polygon_3_NoNet" (solid, shelved, pour order 21): 31 vertices, not listed, extent 16.614,59.22 21.166,65.629
no net on Top Overlay "Polygon_2_NoNet" (solid, shelved, pour order 11): 50 vertices, not listed, extent 17.377,59.793 21.168,65.631
no net on Top Overlay "Polygon_1_NoNet" (solid, shelved, pour order 29): 24 vertices, not listed, extent 13.527,61.486 16.683,65.629
CONTACTORS_COMMON_NEG on Top Signal "Polygon_1_Net_CONTACTORS_COMMON_NEG" (solid, remove dead copper, shelved, pour order 51): 50.381,105.135 60.7,105.135 60.7,93.546 73.919,93.546 74.078,106.087 111.863,106.087 111.702,120.102 50.381,120.102
GND_EXT_0 on Top Signal "Polygon_3_Net_GND_EXT_0" (solid, remove dead copper, shelved, pour order 44): 113.575,119.507 135.039,119.507 135.039,87.249 113.575,87.249
SUPPLY_EXT_0 on Top Signal "Polygon_2_Net_SUPPLY_EXT_0" (solid, remove dead copper, shelved, pour order 46): 144.812,89.171 157.924,89.171 157.924,69.825 144.812,69.825
NetD201_2 on Top Signal "Polygon_1_Net_N$16" (solid, remove dead copper, shelved, pour order 40): 148.622,95.838 157.924,95.838 157.924,91.774 148.622,91.774
USB_GND_2 on Top Signal "Polygon_1_Net_GND_EXT_2" (solid, remove dead copper, shelved, pour order 38): 53.467,99.568 58.433,99.568 58.433,95.396 53.467,95.396
CAN_GND_INT on Top Signal "Polygon_3_Net_GND_0" (solid, remove dead copper, shelved, pour order 36): 131.185,63.745 136.944,63.745 136.944,61.637 131.185,61.637
USB_GND_2 on Bottom Signal "Polygon_2_Net_GND_EXT_2" (solid, remove dead copper, shelved, pour order 52): 20 vertices, not listed, extent 43.211,87.488 158.083,119.492
NetD201_2 on Bottom Signal "Polygon_2_Net_N$16" (solid, remove dead copper, shelved, pour order 41): 148.622,95.838 157.924,95.838 157.924,91.774 148.622,91.774
GND_EXT_0 on Inner Signal "Inner Signal-GND_EXT_0" (solid, pour order 57): 50.038,119.99 50.038,113.081 51.206,111.912 56.236,111.862 62.357,111.862 62.357,111.912 109.169,111.912 111.862,114.605 141.63,114.605 147.676,108.56 152.036,108.56 152.781,109.305 152.781,119.99
USB_GND_1 on Inner Signal "Inner Signal-USB_GND_1" (solid, pour order 55): 111.994,113.142 122.174,113.142 122.174,101.27 119.785,98.881 119.785,78.053 117.704,75.971 107.112,75.971 107.061,75.921 104.927,78.054 104.927,95.91 111.176,102.159 111.176,112.456
CAN_GND on Inner Signal "CAN_GND_L04_P053" (solid, pour order 53): 17 vertices, not listed, extent 122.174,81.229 142.24,114.02
CAN_GND_INT on Top GND (split plane): 123 vertices, not listed, extent 0.509,0.509 159.491,119.491
USB_GND_2 on Top GND (split plane): 29 vertices, not listed, extent 0.509,76.245 19.665,119.491
GND_EXT_0 on Top GND (split plane): 26 vertices, not listed, extent 42.844,64.485 110.242,119.49
USB_GND_1 on Top GND (split plane): 24 vertices, not listed, extent 104.719,73.858 124.589,119.49
CAN_GND on Top GND (split plane): 35 vertices, not listed, extent 121.432,73.883 142.169,119.49
+3.3V_0 on Inner PWR (split plane): 57 vertices, not listed, extent 0.509,0.509 159.491,119.491
USB_VBUS_2 on Inner PWR (split plane): 27 vertices, not listed, extent 0.509,93.29 14.682,119.491
USB_+3.3V_2 on Inner PWR (split plane): 20 vertices, not listed, extent 0.615,83.23 16.668,95.444
+3.3V_0 on Inner PWR (split plane): 22 vertices, not listed, extent 105.355,81.733 119.455,95.614
+3.3V_0 on Inner PWR (split plane): 44 vertices, not listed, extent 43.864,64.946 152.326,114.581
USB_VBUS_1 on Inner PWR (split plane): 32 vertices, not listed, extent 105.355,91.539 121.746,114.761
+3.3V_0 on Inner PWR (split plane): 132.694,91.777 132.694,82.456 131.971,81.733 122.526,81.733 122.526,92.031 123.234,92.739 131.731,92.739
CAN_GND_INT on Bottom GND (split plane): 112 vertices, not listed, extent 0.509,0.509 159.491,119.491
CAN_GND_INT on Bottom GND (split plane): 82 vertices, not listed, extent 39.542,0.509 159.491,81.006

## Keep-outs
Keep-Out Layer:
  lines w0: 0,1 ccw(c1,1) 1,0 159,0 ccw(c159,1) 160,1 160,119 ccw(c159,119) 159,120 1,120 ccw(c1,119) 0,119 0,1
  lines w3.9: 0.025,78.918 15.977,78.918 19.202,82.144 19.202,97.942 ; 41.275,65.073 41.275,82.218 ; 41.275,65.075 55.931,65.075 56.236,65.38 90.17,65.38 ; 52.621,19.424 52.621,26.645
  lines w4: 41.275,65.075 41.275,19.353 52.549,19.353 52.621,19.424 ; 52.621,26.645 71.596,26.645 71.596,2.184 ; 135.407,67.722 157.886,67.722
  lines w5: 90.17,65.38 90.17,77.749 135.407,77.749 ; 135.407,67.722 135.407,77.749 ; 135.407,88.265 135.407,77.749

## Other copper
Top Signal:
  region net USB_VBUS_2: 9.438,111.072 9.438,109.777 11.673,109.777 11.673,111.072
  region net USB_VBUS_1: 120.746,110.236 119.451,110.236 119.451,108.001 120.746,108.001
  rectangle net USB_+3.3V_1: 106.858,92.151 108.885,92.888
  rectangle net USB_+3.3V_2: 2.616,91.719 5.41,92.456
  rectangle net USB_GND_1: 115.494,108.001 116.789,110.236
  rectangle net GND_EXT_2: 57.76,96.139 60.655,99.898
  rectangle net GND_EXT_2: 57.76,101.905 60.655,105.664
  rectangle net CONTACTORS_COMMON_NEG: 67.222,93.142 69.723,105.207
  rectangle net USB_GND_2: 4.527,107.467 6.604,110.236
  rectangle net CONTACTOR_5_COIL_POS: 84.024,84.248 86.063,86.28
  rectangle net CONTACTOR_4_COIL_POS: 78.568,84.248 80.607,86.28
  rectangle net CONTACTOR_3_COIL_POS: 73.112,84.248 75.15,86.28
  rectangle net CONTACTOR_2_COIL_POS: 67.656,84.248 69.694,86.28
  rectangle net CONTACTOR_1_COIL_POS: 62.2,84.248 64.238,86.28
  rectangle net CONTACTOR_0_COIL_POS: 56.744,84.248 58.782,86.28
  rectangle net SUPPLY_EXT_2: 82.551,71.397 84.59,73.429
  rectangle net SUPPLY_EXT_2: 77.095,71.397 79.133,73.429
  rectangle net SUPPLY_EXT_2: 71.639,71.577 73.677,73.609
  rectangle net SUPPLY_EXT_2: 66.183,71.577 68.221,73.609
  rectangle net SUPPLY_EXT_2: 60.727,71.577 62.765,73.609
  rectangle net SUPPLY_EXT_2: 55.27,71.577 57.309,73.609
  region net +3.3V_1: 22.933,55.068 21.623,55.068 21.623,53.148 22.933,53.148
  rectangle net +3.3V_0: 149.406,43.047 150.716,44.967
  pour cut-out: 103.584,20.496 ccw(c103.784,20.496) 103.643,20.355 104.278,19.72 ccw(c104.419,19.861) 104.419,19.661 110.795,19.661 ccw(c110.795,19.861) 110.936,19.72 111.622,20.405 ccw(c111.481,20.547) 111.681,20.547 111.681,24.614 ccw(c111.481,24.614) 111.622,24.756 111.478,24.901 111.478,26.352 ccw(c111.277,26.352) 111.419,26.494 110.62,27.293 ccw(c110.478,27.151) 110.478,27.352 108.27,27.352 108.27,29.001 ccw(c108.07,29.001) 107.869,29.001 107.869,27.151 ccw(c108.069,27.151) 108.07,26.951 110.395,26.951 111.077,26.269 111.077,24.818 ccw(c111.277,24.818) 111.136,24.676 111.28,24.531 111.28,20.63 110.712,20.062 104.502,20.062 103.985,20.579 103.985,24.706 104.053,24.774 ccw(c103.911,24.916) 104.112,24.916 104.112,26.293 104.77,26.951 106.553,26.951 ccw(c106.553,27.151) 106.753,27.151 106.753,29.001 ccw(c106.553,29.001) 106.353,29.001 106.353,27.352 104.687,27.352 ccw(c104.687,27.151) 104.545,27.293 103.77,26.517 ccw(c103.911,26.376) 103.711,26.376 103.711,24.999 103.643,24.931 ccw(c103.784,24.789) 103.584,24.789
  region net CAN_GND: 128.168,106.096 128.905,106.096 129.901,105.1 129.901,103.759 127.231,103.759 127.231,105.158
  pour cut-out: 154.237,50.538 154.237,51.307 154.483,51.307 154.483,50.537
  pour cut-out: 153.729,50.538 153.729,51.307 153.975,51.307 153.975,50.537
  region net NetC305_1: 19.313,49.408 20.013,49.408 20.753,48.668 21.163,48.668 21.293,48.798 21.293,50.348 22.283,51.338 22.283,51.858 21.933,52.208 21.503,52.208 20.543,53.168 19.783,53.168 19.433,52.818 19.433,51.218 19.233,51.018 19.233,49.488
  region net NetIC301_1: 18.853,50.028 18.853,51.018 18.193,51.678 18.193,54.418 17.593,55.018 16.333,55.018 16.333,51.308 16.373,51.268 17.693,51.268 18.113,50.848 18.113,50.028 18.193,49.948 18.773,49.948
  region net +5.0V_1: 17.629,46.897 18.079,46.447 18.079,46.057 18.189,45.947 19.119,45.947 19.509,45.557 19.989,45.557 20.199,45.767 20.199,46.477 20.779,47.057 20.779,47.272 20.633,47.418 19.008,47.418 18.849,47.577 17.739,47.577 17.629,47.467
  region net +5.0V_0: 154.572,51.619 153.841,51.619 153.645,51.816 153.645,52.349 152.788,52.349 152.433,52.705 151.046,52.705 151.046,51.619 150.368,51.13 150.368,50.647 153.365,50.647 153.365,51.359 154.711,51.359 154.711,51.486
  region net NetIC201_1: 153.486,47.371 153.486,47.097 154.146,46.437 154.146,43.697 154.746,43.097 156.006,43.097 156.006,46.807 155.966,46.847 154.646,46.847 154.121,47.371
  region net +3.3V_0_IN: 153.026,48.707 152.326,48.707 151.586,49.447 151.176,49.447 151.046,49.317 151.046,47.767 150.056,46.777 150.056,46.257 150.406,45.907 150.836,45.907 151.796,44.947 152.556,44.947 152.906,45.297 152.906,46.897 153.106,47.097 153.106,48.627
  text "TOP" at 75.248,18.241 h1.27
Bottom Signal:
  text "BOT" at 76.994,17.13 h1.27
Top GND (plane layer: these items are gaps in the copper):
  lines w0.5: 120.89,75.652 121.234,75.997 121.234,95.885 122.885,97.536 122.885,109.601 124.841,111.557 124.841,120
  lines w1: 0.263,83.76 0.263,75.743 14.263,75.743 20.168,81.647 20.168,103.48 15.748,107.899 15.748,120 14.453,120 ; 42.342,119.99 42.342,66.269 44.628,63.983 90.094,63.983 92.177,66.065 92.177,71.907 93.624,73.355 102.591,73.355 104.216,74.981 104.216,75.844 ; 110.744,120.04 110.744,101.752 104.216,95.225 104.216,75.844 ; 120.89,75.652 118.593,73.355 106.705,73.355 104.216,75.844 ; 125.171,120.04 125.171,111.211 123.272,109.311 123.272,97.923 120.929,95.58 120.929,74.955 122.504,73.381 131.953,73.381 133.198,74.625 133.198,88.307 135.153,90.263 135.153,102.172 142.672,109.69 142.672,120.04
Inner PWR (plane layer: these items are gaps in the copper):
  lines w0.5: 105.004,81.959 60.56,81.959 49.098,93.421 43.612,93.421 43.612,76.352 55.27,64.694 83.591,64.694 92.305,73.408 147.474,73.408 152.578,78.511 152.578,113.995 151.74,114.833 146.253,114.833 133.045,101.625 133.045,91.923 ; 105.004,90.83 106.274,92.1 106.274,93.929 115.915,93.929 117.852,95.866 119.806,95.866
  lines w0.7: 0.263,83.76 0.263,92.939 2.007,92.939 2.819,93.751 12.99,93.751 15.26,96.022 ; 119.273,81.387 119.273,82.574 119.806,83.107 119.806,98.851 122.098,101.143 122.098,113.005 119.99,115.113 114.198,115.113 111.201,112.116 111.201,102.21 105.004,96.012 105.004,81.813 105.435,81.382 122.174,81.382 ; 122.174,81.382 132.117,81.382 133.045,82.31 133.045,91.923 131.877,93.091 123.088,93.091 122.174,92.177 122.174,81.382
  lines w1: 0.263,83.76 1.295,82.728 14.676,82.728 17.17,85.222 17.17,94.164 14.453,96.882 14.453,120
Bottom GND (plane layer: these items are gaps in the copper):
  lines w1: 68.326,0 68.326,23.444 66.573,25.197 55.55,25.197 54.026,23.673 54.026,19.533 52.349,17.856 41.758,17.856 39.04,20.574 39.04,65.761 39.7,66.421 39.7,80.885 40.324,81.509 41.899,81.509 42.621,80.787 42.621,68.021 44.501,66.142 53.34,66.142 55.423,68.224 86.919,68.224 88.443,69.749 88.443,77.699 91.389,80.645 133.883,80.645 136.982,77.546 160,77.546

## Silkscreen, mask and mechanical layers (free items; w line width, h text height)
Top Overlay:
  drawing of 5 lines, arcs and shapes, not listed
  text "9" at 15.113,109.855 h1.27
  text "16" at 39.675,109.703 h1.27
  text "4" at 146.685,109.364 h1.27
  text "6" at 155.099,109.364 h1.27
  text "Fuse: 2A" at 150.444,105.664 h1.27
  text "1" at 19.888,100.381 h1.02
  text "Creative Commons" at 120.969,57.033 h1.27
  text "Attribution 4.0" at 120.969,55.814 h1.27
  text "3.3V" at 20.884,55.343 h1.5
  text "E" at 148.285,51.687 h1.5 r180
  text "E" at 23.039,46.398 h1.5
  text "3.3V" at 148.666,44.145 h1.5 r90
  text "1" at 9.957,30.226 h1.27
  text "1" at 50.165,29.036 h1.27
  text "foxBMS.org" at 56.197,25.781 h2.54
  text "1" at 116.998,6.984 h1.27
  text "1" at 148.819,6.782 h1.27
  text "1" at 103.759,6.756 h1.27
  text "1" at 9.931,3.2 h1.27
  text "foxBMS BMS-Master v'.GlobalVersion'" at 151.89,1.093 h1.27 r90
Dimension:
  the board outline again, w0
Mechanical 2:
  text "Do NOT mill isolation meander." at 41.783,24.892 h1.52 r90
Descript:
  lines w0: 2,20 2,120 ; 52,20 52,120 ; 73,0 73,120 ; 158,0 158,120
  lines w0.254: 135.004,4.004 135.012,4.012

## Dimensions
62.5,19.988 to 62.706,120 on Mechanical 16
62.5,46.499 to 60.642,120 on Mechanical 16
62.5,18.4 to 0,17.924 on Mechanical 16
52,120 to 28,117.46 on Mechanical 16
0,119 to 151.13,117.46 on Mechanical 16
0,119 to 139.065,117.46 on Mechanical 16
0,119 to 128.588,117.46 on Mechanical 16
0,119 to 118.11,115.238 on Mechanical 16
0,119 to 107.632,117.46 on Mechanical 16
0,119 to 97.155,117.46 on Mechanical 16
0,119 to 86.677,117.46 on Mechanical 16
0,119 to 76.2,117.46 on Mechanical 16
0,119 to 65.722,117.46 on Mechanical 16
0,119 to 55.245,117.46 on Mechanical 16
0,119 to 46.2,117.46 on Mechanical 16
0,119 to 7.5,115.555 on Mechanical 16
160,119 to 137.65,84.44 on Mechanical 16
157.956,120 to 152.559,87.25 on Mechanical 16
157.956,120 to 150.654,54.75 on Mechanical 16
1,120 to 26.511,60.2 on Mechanical 16
52,120 to 22.4,80.948 on Mechanical 16
52,120 to 31.6,81.265 on Mechanical 16
158,0 to 90,4 on Mechanical 16
158,0 to 112.5,4 on Mechanical 16
158,0 to 135,4 on Mechanical 16
160,120 to 90,4 on Mechanical 16
0,120 to 26.035,82 on Mechanical 16
2,20 to 47,37 on Mechanical 16
0,120 to 7,39.54 on Mechanical 16
2,20 to 7,37 on Mechanical 16
0,120 to 26,102 on Mechanical 16
2,20 to 153,25.068 on Mechanical 16
2,20 to 78,25.068 on Mechanical 16
0,120 to 6.032,117.46 on Mechanical 16
52,120 to 26,102 on Mechanical 16
52,120 to 36.5,102 on Mechanical 16
2,20 to 52,31.1 on Mechanical 16
0,120 to 2,123.81 on Mechanical 16
0,120 to 6.985,25 on Mechanical 16
0,120 to 6.985,99.998 on Mechanical 16
0.953,120.044 to 0.953,0.044 on Mechanical 16
2,120 to 158,120 on Mechanical 16
0,120 to 160,120 on Mechanical 16

## Text inside footprints (layer, text, board x,y; h text height)
Designator181: Top Signal "1" at 148.229,13.72 h0.51 r90; Bottom Signal "4" at 148.229,17.759 h0.51 r90
IC601: Top Overlay "TOL" at 40.878,55.567 h1.27; Top Overlay "VAL" at 40.878,55.567 h1.27; Top Overlay "PN" at 40.878,55.567 h1.27; Top Overlay "DEV" at 40.878,55.567 h1.27